# KiCad board pmic_panel.kicad_pcb (continued)
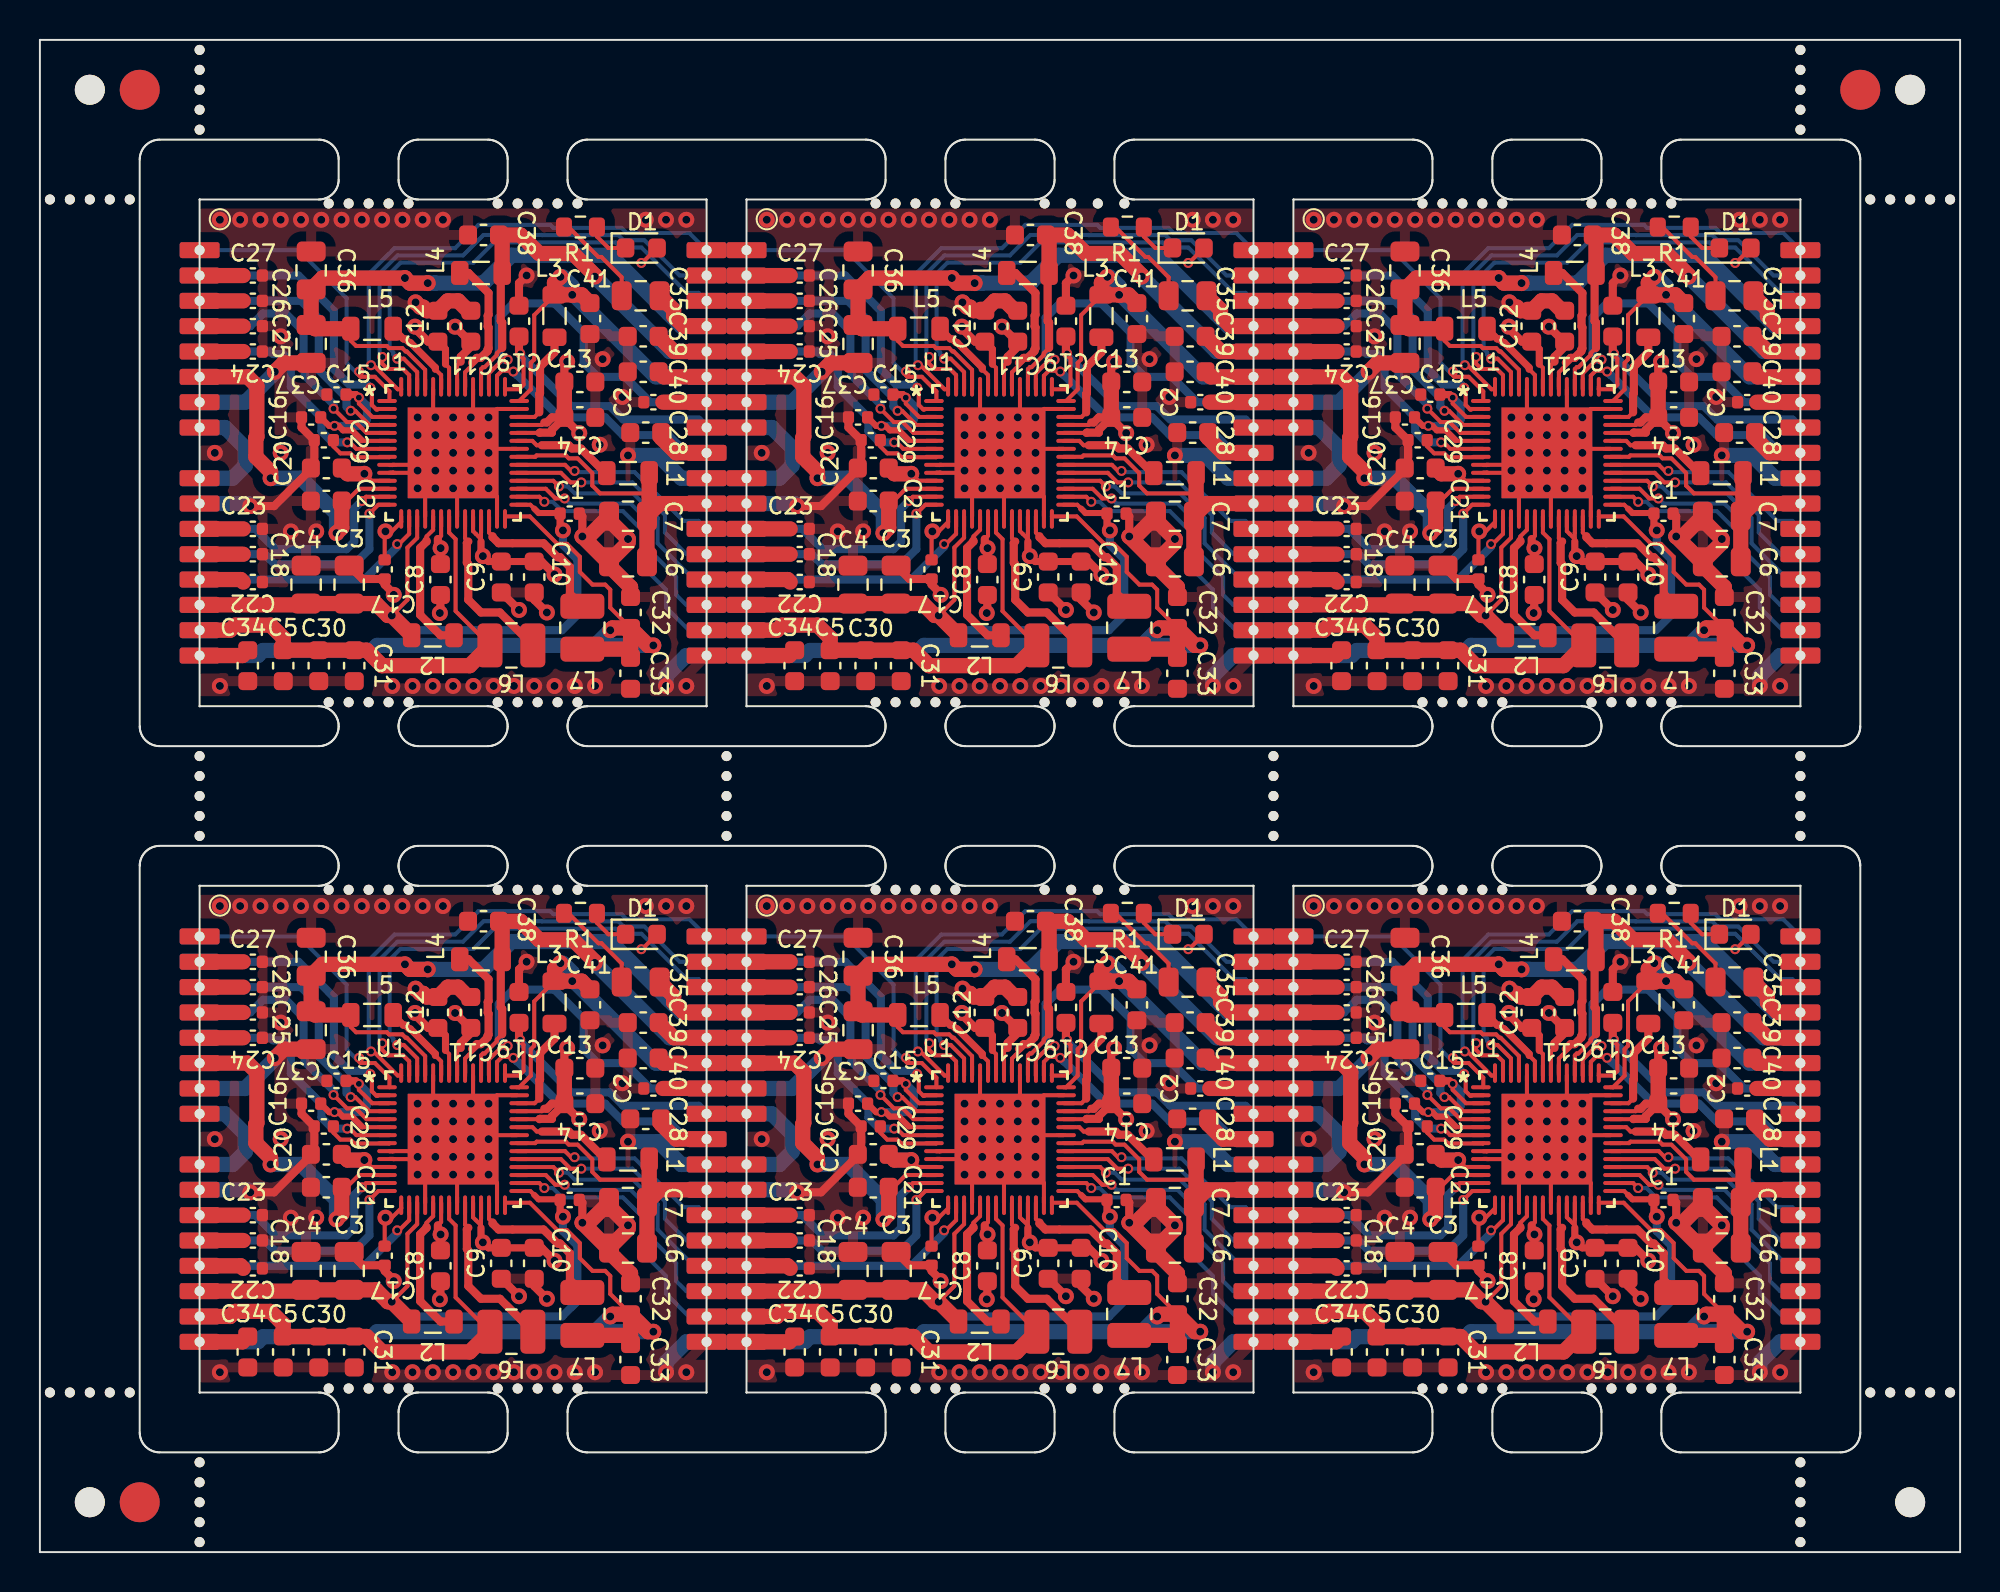
[diagram p0: board, top side]
## Routing (per net, layer and track width the routed paths; a pad name or vN(x,y) marks a point on that pad's centre or on a via; arc(x,y) is an arc through that point) (continued)
Board_2-SCL: length 11.7
  Top w0.203: 78.69,54.1 80.9,54.1 81.38,53.62 v2(81.92,53.62)
  Bottom w0.203: U2#3.21 87.2,50.02 86.11,51.11 86.11,51.98 84.48,53.62 v2(81.92,53.62)
Board_2-SDA: length 10.8
  Top w0.203: 78.69,54.5 81.11,54.5 81.41,54.19 v2(81.59,54.19)
  Bottom w0.203: U2#3.22 87.8,51.69 87.04,51.69 84.59,54.14 81.65,54.14 v2(81.59,54.19)
Board_2-VBUS: length 17.4
  Top w0.203: 72.31,53.3 70.78,53.3 70.17,52.69 69.92,52.69
  Top w0.762: 69.92,52.69 69.92,51.34 v1(69.66,51.08) ; v1(66.36,53.83) 66.36,54.16 65.62,54.9 65.62,55.86 65.67,55.91 65.67,58.45 65.21,58.91 U2#3.6
  Bottom w0.762: v1(66.36,53.83) 67.88,53.83 69.66,52.05 v1(69.66,51.08)
Board_2-VIN: length 57.7
  Top w0.203: 76.9,51.91 76.9,51.1 76.9,51.1 76.9,50.65 76.9,50.78 76.5,51.18 76.5,51.91 ; C17#2.1 72.07,51.12 v1(72.11,51.16) 72.43,51.16 72.9,51.63 72.9,51.91 ; 74.9,51.91 74.9,50.94 74.74,50.78 ; v1(71.06,54.05) 71.4,53.7 72.31,53.7 ; v2(70.78,57.87) 70.78,57.57 71.45,56.9 72.31,56.9 ; 75.3,58.29 75.3,59.36 75.12,59.54 ; 75.88,59.67 75.7,59.49 75.7,58.29 ; 80.07,56.62 79.95,56.5 78.69,56.5 ; 78.69,56.1 79.83,56.1 ; 72.31,55.7 70.96,55.7
  Top w0.305: 70.93,55.73 70.43,56.23 69.98,56.23 69.76,56.45 ; v2(69.56,56.45) 69.76,56.45 69.76,56.45 ; C16#5.1 69.3,56.45 69.76,56.45
  Top w0.356: v2(70.78,57.87) 70.63,58.02 C15#2.1 ; 75.12,59.54 75.12,60.29 C12.1 ; C10#4.1 C9.1 77.26,49.65 v1(76.99,49.92) 76.9,50.02 76.9,50.65
  Top w0.406: v1(75.6,61.42) 76.35,60.67 C11.1 ; C12.1 74.25,60.67 73.59,61.33 v1(73.59,61.43) ; C14.1 80.45,56.88 80.2,56.62 80.07,56.62 ; C14.1 81.07,56.84 v1(81.82,56.09) ; C14.1 80.45,56.26 80.45,56.12 79.85,56.12 79.83,56.1 ; C10#4.1 79.93,49.65 v1(80.58,49) ; v1(81.22,59.67) 81.07,59.53 C13#2.1 ; 76.64,60.67 75.88,59.91 75.88,59.67 ; 74.74,50.78 74.74,50.46 v1(74.88,50.32) 74.86,50.31 C8.1
  Top w0.762: C14.1 C13#2.1 ; v1(71.06,54.05) 70.21,54.05 69.92,54.34
  In1.Cu w0.762: U2#3.9 64.39,53.83 65.08,54.52 65.08,55.02 65.91,55.85 66.11,55.85 ; 66.11,55.85 65.59,56.37 U2#3.8 ; 66.11,55.85 v1(66.86,55.1)
  Bottom w0.406: v2(70.78,57.87) 71.18,57.47 71.18,56.78 70.86,56.45 v2(69.56,56.45)
  Bottom w0.762: U2#3.8 64.07,56.37 65.09,55.35 65.09,54.46 64.45,53.83 U2#3.9
Board_2-VOUT1: length 21.2
  Top w0.203: L3#4.2 79.56,62 79.56,59.78 79.39,59.61 79.39,58.28 U1.42 78.69,57.7
  Top w0.762: U2#3.28 86.05,58.91 C40#4.1 ; C41#6.1 81.94,63.02 L3#4.2 80.58,63.62 v1(80.88,63.92)
  Bottom w0.762: 81.55,63.02 85.66,58.91 U2#3.28 ; v1(80.88,63.92) 81,63.92 81.47,63.45 v1(81.47,63.02)
Board_2-VOUT2: length 42.6
  Top w0.203: 78.1,51.91 79.35,51.91 80.72,50.54 81.2,50.54 81.85,49.89 81.85,49.13 82.48,48.5 83.12,48.5 83.37,48.24 83.37,47.34 C32#6.1
  Top w0.762: v1(85.53,45.45) 85.27,45.45 C32#6.1 ; 84.39,45.32 84.33,45.26 L7#5.1 ; 84.39,45.32 C32#6.1 ; 84.39,45.32 C33.1 ; C32#6.1 83.49,46.32 v1(83.37,46.21) ; U2#3.16 64.95,44.94 C34#2.1
  Bottom w0.762: 82.61,45.45 71.69,45.45 71.44,45.19 65.97,45.19 65.72,44.94 U2#3.16 ; 82.61,45.45 v1(85.53,45.45) ; 82.61,45.45 v1(83.37,46.21)
Board_2-VOUT3: length 23.6
  Top w0.203: 75.3,51.91 75.3,51.1 75.63,50.77 75.63,47.17 L6#3.1
  Top w0.762: U2#3.15 64.32,46.21 64.58,46.46 66.36,46.46 66.99,45.83 C5#3.1 C30.1 C31#6.1 71.17,45.21 71.94,44.43 76.33,44.43 L6#3.1
Board_2-VOUT4: length 52.2
  Top w0.203: D1#4.2 84.97,64.62 v2(84.93,64.62) ; v1(72.43,46.95) 73.21,47.73 73.21,50.35 73.7,50.84 73.7,51.91 ; 79.56,52.31 79.37,52.5 78.69,52.5
  Top w0.305: C1#6.1 80.83,52.08 79.79,52.08 79.56,52.31
  Top w0.356: C1#6.1 80.86,51.35 v1(81,51.21)
  Top w0.762: L2#5.1 v1(72.43,46.95) 72.23,46.95 71.63,47.55 C3.1 C4#3.1 68.07,47.48 U2#3.14
  In1.Cu w0.203: v1(81,51.21) 81.02,51.21 81.93,52.12 83.78,52.12 85.53,53.87 85.53,63.52 84.93,64.12 v2(84.93,64.62)
  Bottom w0.406: v1(81,51.21) 81,50.49 81.72,49.77 81.72,46.97 80.96,46.21 73.17,46.21 v1(72.43,46.95)
Board_2-VOUT5: length 15.6
  Top w0.203: 85.33,52.94 85.2,53.07 82.87,53.07 82.47,53.46 82.47,54.09 81.74,54.82 81.3,54.82 81.15,54.97 79.69,54.97 79.61,54.9 78.69,54.9
  Top w0.762: C7#3.1 85.85,52.56 U2#3.23 ; C7#3.1 85.33,52.04 L1#6.2 ; C7#3.1 C6#5.1
Board_2-VOUT6: length 23.9
  Top w0.203: 77.96,60.36 77.69,60.09 77.69,60.01 77.08,59.4 77,59.4 76.9,59.3 76.9,58.29
  Top w0.406: 77.96,60.36 77.96,61.63 77.89,61.7 77.89,64.05 L4.2
  Top w0.762: U2#3.29 86.56,60.18 C39.1 ; v1(82.6,63.94) 82.6,64.01 81.51,65.1 79.81,65.1 78.88,66.02 C38#6.1 77.96,65.86 L4.2
  Bottom w0.762: v1(82.6,63.94) 86.35,60.18 U2#3.29
Board_2-VOUT7: length 36.8
  Top w0.203: 74.1,58.29 74.1,59.26 73.18,60.18 73.12,60.18 72.96,60.35 72.29,60.35 72.18,60.46 70.64,60.46 70.37,60.72 L5#2.2
  Top w0.762: C35#5.1 86.55,62.27 86.55,61.96 87.06,61.45 U2#3.30 ; v1(74.23,63.61) 73.34,63.61 v1(73.09,63.86) 68.96,63.86 C36#2.1 C37.1 68.58,61.32 L5#2.2
  Bottom w0.762: 74.61,63.61 77.02,63.61 78.42,65.01 83.37,65.01 86.93,61.45 U2#3.30 ; 74.61,63.61 73.34,63.61 v1(73.09,63.86) ; 74.61,63.61 v1(74.23,63.61)
Board_2-VREFDDR: length 20.3
  Top w0.203: 77.29,58.29 77.29,59.08 77.98,59.77 v2(78.23,59.77)
  Top w0.762: U2#3.27 C2#3.1
  Bottom w0.406: U2#3.27 85.38,57.64 84.11,58.91 82.74,58.91 82.04,59.61 82.04,61.13 80.58,62.59 78.5,62.59 77.79,61.87 77.79,60.05 78.07,59.77 v2(78.23,59.77)
Board_2-WAKEUPN: length 13.8
  Top w0.203: 78.69,52.9 79.82,52.9 v2(80.07,52.65)
  Bottom w0.203: v2(80.07,52.65) 80.49,52.65 80.96,52.18 84.01,52.18 85.03,51.16 85.03,49.38 86.17,48.24 86.17,47.35 87.31,46.21 U2#3.18
Board_3-GND: length 63.2
  Top w0.203: R1#4.2 26.48,32.02 27.98,30.52 28.13,30.52 29.15,29.5 C35.2 ; 20.9,17.51 20.9,18.72 v1(20.7,18.92) ; v1(19.81,22.48) 19.7,22.59 19.7,23.89 ; 22.9,17.51 22.9,18.5 v1(22.48,18.92) ; 23.89,20.9 22.68,20.9 v1(22.48,20.7) ; v1(18.92,18.92) 19.3,18.54 19.3,17.51 ; v1(22.48,22.48) 22.9,22.9 23.89,22.9 ; v1(21.59,22.48) 21.7,22.59 21.7,23.89 ; 17.51,19.71 17.69,19.71 17.7,19.7 18.81,19.7 v1(18.92,19.81) 18.63,20.1 17.69,20.1 17.68,20.09 17.51,20.09
  Top w0.406: C9#3.2 23.13,13.7 v1(24,12.83) ; v1(24.38,29.59) 24,29.21 C19#5.2 ; C3#2.2 16.16,14.38 C17#6.2 17.27,14.1 17.73,13.64 v1(17.73,13.58) ; C16#4.2 13.11,21.97 C29.2 13.74,20.11 C20#3.2 13.57,19.87 11.73,18.03 v1(10.54,18.03) ; C1#2.2 27.05,17.65 27.18,17.52 v1(27.18,16.51) ; C10#5.2 24.76,13.33 v1(25.4,12.7) ; 20.06,13.58 20.06,12.7 v1(20.04,12.67)
  Top w0.762: v1(18.82,28.24) 19.06,28.01 19.2,28.01 19.38,27.83 C12#4.2 20.43,28.32 20.95,28.32 21.45,27.83 C11#4.2 ; C6#4.2 29.46,16.19 v1(29.46,16.38) 28.51,17.33 C7#5.2 27.5,16.51 v1(27.18,16.51) 28.45,15.24 C6#4.2 ; C6#4.2 28.51,15.05 29.59,13.97 C32#4.2 ; C37#4.2 12.22,25.21 v1(11.77,24.76)
  Bottom w0.762: U2.10 10.41,18.16 v1(10.54,18.03) ; v1(29.46,20.57) 30.99,20.57 32.13,19.43 U2.24 ; U2.17 32.38,10.54 31.37,9.52 v1(31.37,9.02) ; v1(11.77,24.76) 11.77,24.72 10.29,23.24 U2.7
  vias: v1(8.76,20.7) v1(9.02,32.38) v1(9.02,9.02) v1(10.03,32.38) v1(11.05,32.38) v1(12.06,32.38) v1(12.06,26.54) v1(12.57,16.76) v1(13.08,32.38) v1(13.84,16.76) v1(14.1,32.38) v1(15.11,32.38) v1(16.13,32.38) v1(17.14,32.38) v1(17.65,9.02) v1(18.16,32.38) v1(18.67,9.02) v1(18.92,22.48) v1(18.92,21.59) v1(18.92,20.7) v1(19.18,32.38) v1(19.68,9.02) v1(19.81,21.59) v1(19.81,20.7) v1(19.81,19.81) v1(19.81,18.92) v1(20.19,32.38) v1(20.7,22.48) v1(20.7,21.59) v1(20.7,20.7) v1(20.7,19.81) v1(20.7,9.02) v1(21.59,21.59) v1(21.59,20.7) v1(21.59,19.81) v1(21.59,18.92) v1(21.72,9.02) v1(22.48,21.59) v1(22.48,19.81) v1(22.73,9.02) v1(23.75,9.02) v1(24.76,9.02) v1(25.78,9.02) v1(26.8,9.02) v1(27.81,9.02) v1(28.05,21.11) v1(28.19,25.4) v1(29.18,23.5) v1(30.35,32.38) v1(31.37,32.38) v1(32.38,32.38) v1(32.38,9.02)
Board_3-INTLDO: length 3.3
  Top w0.203: 17.51,20.49 17.5,20.48 15.75,20.48 15.56,20.68 15.05,20.68 14.7,21.03 C29.1
Board_3-INTN: length 12.3
  Top w0.203: v2(26,19.02) 25.72,19.3 23.89,19.3
  Bottom w0.203: U2.20 32.76,14.35 30.95,16.16 30.95,17.43 29.72,18.67 26.8,18.67 26.45,19.02 v2(26,19.02)
Board_3-LDO1OUT: length 14.2
  Top w0.203: 17.51,18.1 16.96,18.1 v2(16.51,17.65)
  Top w0.762: U2.12 10.19,15.62
  Bottom w0.406: v2(16.51,17.65) 16.51,15.87 15.75,15.11 11.77,15.11 11.26,15.62 U2.12
Board_3-LDO2OUT: length 14.6
  Top w0.203: v2(17.9,16.13) 17.99,16.13 18.5,16.64 18.5,17.51
  Top w0.762: 10.19,14.22 10.06,14.35 U2.13
  Bottom w0.406: v2(17.9,16.13) 17.9,16 16.25,14.35 U2.13
Board_3-LDO3IN: length 14.6
  Top w0.203: U1#3.43 23.3,23.89 24,23.89 24.23,24.12 24.23,25.43 24.06,25.59 v2(24.06,25.68)
  Top w0.406: v2(24.06,25.68) 24,25.74 C19#5.1
  Bottom w0.406: U2.26 33,22.37 29.23,22.37 28.55,23.04 26.61,23.04 24.06,25.59 v2(24.06,25.68)
Board_3-LDO3OUT: length 15.8
  Top w0.203: 22.9,23.89 22.9,24.57 23.15,24.82 23.67,24.82 v2(23.72,24.78)
  Top w0.762: U2.25 31.88,20.7 31.13,21.45 C28#5.1
  Bottom w0.406: U2.25 32.38,20.7 31.5,21.59 29.21,21.59 28.32,22.48 26.03,22.48 23.91,24.6 23.89,24.6 v2(23.72,24.78)
Board_3-LDO4OUT: length 14.2
  Top w0.203: 17.51,18.5 16.34,18.5 v2(16.13,18.29)
  Top w0.762: U2.11 10.19,16.89
  Bottom w0.406: U2.11 10.79,16.89 11.81,15.87 15.37,15.87 15.75,16.25 15.75,17.91 v2(16.13,18.29)
Board_3-LDO5OUT: length 14.9
  Top w0.203: v2(15.4,21.23) 15.53,21.23 15.85,20.9 17.51,20.9
  Top w0.762: U2.5 10.19,25.78
  Bottom w0.406: U2.5 11.56,25.78 11.68,25.65 12.19,25.65 12.57,25.27 12.57,24 14.1,22.47 14.1,21.78 14.66,21.23 v2(15.4,21.23)
Board_3-LDO6OUT: length 15.8
  Top w0.203: 17.51,21.7 16.36,21.7 15.82,22.24 15.38,22.24 v2(14.71,22.92)
  Top w0.762: U2.4 10.19,27.05
  Bottom w0.406: U2.4 10.54,27.05 11.17,27.69 12.32,27.69 13.21,26.8 13.21,25.18 13.27,25.13 13.27,24.58 14.71,23.13 v2(14.71,22.92)
Board_3-LDO7OUT: length 16
  Top w0.203: 17.51,22.1 16.5,22.1 15.8,22.81 v2(15.57,22.81)
  Top w0.762: U2.3 10.19,28.32
  Bottom w0.406: U2.3 13.08,28.32 13.97,27.43 13.97,24.85 15.36,23.46 15.36,23.02 v2(15.57,22.81)
Board_3-LDO8OUT: length 16.7
  Top w0.203: 17.51,22.9 16.94,22.9 16.91,22.88 16.86,22.88 16.63,23.1 16.63,23.89 v2(16.55,23.96)
  Top w0.762: U2.2 10.19,29.59
  Bottom w0.406: U2.2 12.95,29.59 14.73,27.81 14.73,24.89 15.5,24.12 16.39,24.12 v2(16.55,23.96)
Board_3-Net-(D1-K): length 2.2
  Top w0.203: R1#4.1 27.91,31.55 28.48,30.97 D1#5.1
Board_3-Net-(U1-VLX1): length 5.3
  Top w0.203: 25.02,22.73 24.79,22.5 23.89,22.5
  Top w0.406: 25.02,22.73 25.02,23.65 25.06,23.69 25.06,25.02 25.78,25.74 L3#5.1
Board_3-Net-(U1-VLX2): length 7.8
  Top w0.203: 22.68,16.52 22.5,16.7 22.5,17.51
  Top w0.406: 22.68,16.52 22.68,16.47 22.98,16.17 25.23,16.17 25.93,15.47 26.06,15.47 26.55,14.98 26.55,13.64 L7#4.2
Board_3-Net-(U1-VLX3): length 8.5
  Top w0.203: 21.46,16.25 21.3,16.42 21.3,17.51
  Top w0.406: 21.46,16.25 21.39,16.18 21.39,15.19 21.46,15.12 21.46,13.33 22.1,12.7 23.04,12.7 L6#6.2
Board_3-Net-(U1-VLX4): length 7.3
  Top w0.203: 19.7,17.51 19.7,16.84 19.37,16.51 19.37,16.31
  Top w0.406: L2#3.2 20.07,11.56 19.05,12.58 19.05,15.93 19.37,16.25 19.37,16.31
Board_3-Net-(U1-VLX5): length 5.2
  Top w0.203: 25.14,21.08 24.89,21.08 24.67,21.3 23.89,21.3
  Top w0.406: L1#2.1 28.33,19.68 27.1,20.92 26.66,20.92 26.5,21.08 25.14,21.08
Board_3-Net-(U1-VLX6): length 7.8
  Top w0.203: 21.3,23.89 21.3,24.48 ; 21.63,25.22 21.63,25.07 21.3,24.74 U1#3.48
  Top w0.406: 21.65,25.22 21.89,25.46 22.09,25.46 22.43,25.8 22.43,25.89 22.48,25.93 22.48,26.99 22.43,27.03 22.43,27.57 22.48,27.62 22.48,28.71 21.47,29.72 L4#4.1
Board_3-Net-(U1-VLX7): length 4.1
  Top w0.203: 20.1,23.89 20.1,24.6 19.81,24.89
  Top w0.356: 19.81,24.89 19.81,24.97 18.56,26.22 18.5,26.22 18.32,26.41 18.21,26.41 L5.1
Board_3-PONKEYN: length 15
  Top w0.203: 17.51,23.3 17.51,23.78 16.78,24.51 16.06,24.51 15.99,24.58 v2(15.99,24.78)
  Bottom w0.203: v2(15.99,24.78) 15.94,24.73 15.85,24.73 15.37,25.21 15.37,28.45 12.95,30.86 U2.1
Board_3-PWRCTRL1: length 25.1
  Top w0.203: 18.1,23.89 17.92,23.89 16.74,25.06 16.62,25.06 v2(16.59,25.09)
  Bottom w0.203: U2.33 32.54,31.72 29.4,31.72 29.14,31.97 25.72,31.97 25.57,32.13 21.97,32.13 20.8,30.96 17.76,30.96 16.48,29.67 16.48,25.13 16.51,25.09 v2(16.59,25.09)
Board_3-PWRCTRL2: length 25.1
  Top w0.203: 18.5,23.89 18.5,24.6 18.2,24.9 17.42,24.9 17.14,25.18 17.14,25.32 17.05,25.42 17.13,25.51 v2(17.15,25.51)
  Bottom w0.203: U2.32 32.05,29.59 30.29,31.36 29.24,31.36 28.99,31.61 25.16,31.61 25.14,31.62 22.22,31.62 21.2,30.6 17.91,30.6 17.02,29.7 17.02,25.52 17.03,25.51 v2(17.15,25.51)
Board_3-PWRCTRL3: length 24.3
  Top w0.203: v2(17.91,25.42) 18.23,25.42 18.9,24.75 18.9,23.89
  Bottom w0.203: v2(17.91,25.42) 17.71,25.62 17.71,25.73 17.52,25.92 17.52,29.69 18.06,30.23 21.72,30.23 22.74,31.25 28.84,31.25 29.09,30.99 30.14,30.99 32.41,28.72 33,28.72 U2.31
Board_3-RSTN: length 13.3
  Top w0.203: 23.89,18.9 25.34,18.9 25.83,18.41 v2(26.29,18.41)
  Bottom w0.203: v2(26.29,18.41) 26.54,18.16 29.59,18.16 30.59,17.16 30.59,15.76 31.88,14.48 31.88,13.59 32.38,13.08 U2.19
Board_3-SCL: length 11.7
  Top w0.203: v2(27.12,19.22) 26.58,19.22 26.1,19.7 23.89,19.7
  Bottom w0.203: v2(27.12,19.22) 29.68,19.22 31.31,17.58 31.31,16.71 32.4,15.62 U2.21
Board_3-SDA: length 10.8
  Top w0.203: v2(26.79,19.79) 26.61,19.79 26.31,20.1 23.89,20.1
  Bottom w0.203: U2.22 33,17.29 32.24,17.29 29.79,19.74 26.85,19.74 v2(26.79,19.79)
Board_3-VBUS: length 17.4
  Top w0.203: C21#2.1 15.37,18.29 15.98,18.9 17.51,18.9
  Top w0.762: v1(14.86,16.68) 15.12,16.94 C21#2.1 ; v1(11.56,19.43) 11.56,19.76 10.82,20.5 10.82,21.46 10.87,21.51 10.87,24.05 10.41,24.51 U2.6
  Bottom w0.762: v1(14.86,16.68) 14.86,17.65 13.08,19.43 v1(11.56,19.43)
Board_3-VIN: length 57.7
  Top w0.203: 23.89,21.7 25.03,21.7 ; C17#6.1 17.27,16.72 v1(17.31,16.76) 17.63,16.76 18.1,17.23 18.1,17.51 ; 25.27,22.22 25.15,22.1 23.89,22.1 ; v2(15.98,23.47) 15.98,23.17 16.65,22.5 17.51,22.5 ; 20.5,23.89 20.5,24.96 20.32,25.14 ; 20.9,23.89 20.9,25.09 21.08,25.27 ; 17.51,21.3 16.16,21.3 ; 22.1,17.51 22.1,16.7 22.1,16.7 22.1,16.25 22.1,16.38 21.7,16.78 21.7,17.51 ; 20.1,17.51 20.1,16.54 19.94,16.38 ; 17.51,19.3 16.6,19.3 v1(16.25,19.65)
  Top w0.305: 14.96,22.05 15.18,21.83 15.63,21.83 16.13,21.33 ; 14.96,22.05 14.5,22.05 C16#4.1 ; 14.96,22.05 14.96,22.05 v2(14.76,22.05)
  Top w0.356: C12#4.1 20.32,25.89 20.32,25.14 ; 22.1,16.25 22.1,15.62 v1(22.19,15.52) 22.46,15.25 C9#3.1 C10#5.1 ; v2(15.98,23.47) 15.83,23.62 C15#6.1
  Top w0.406: 25.27,22.22 25.4,22.22 25.65,22.48 C14#5.1 ; v1(25.78,14.6) 25.13,15.25 C10#5.1 ; 21.08,25.27 21.08,25.51 21.84,26.27 ; C8#4.1 20.06,15.91 v1(20.08,15.92) 19.94,16.06 19.94,16.38 ; C11#4.1 21.55,26.27 v1(20.8,27.02) ; 25.03,21.7 25.05,21.72 25.65,21.72 25.65,21.86 C14#5.1 ; v1(27.02,21.69) 26.27,22.44 C14#5.1 ; v1(18.79,27.03) 18.79,26.93 19.45,26.27 C12#4.1 ; v1(26.41,25.27) 26.27,25.13 C13#5.1
  Top w0.762: C14#5.1 C13#5.1 ; v1(16.25,19.65) 15.41,19.65 C20#3.1
  In1.Cu w0.762: 11.31,21.45 v1(12.06,20.7) ; 11.31,21.45 10.79,21.97 U2.8 ; 11.31,21.45 11.11,21.45 10.28,20.62 10.28,20.12 9.59,19.43 U2.9
  Bottom w0.406: v2(15.98,23.47) 16.38,23.07 16.38,22.38 16.06,22.05 v2(14.76,22.05)
  Bottom w0.762: U2.9 9.65,19.43 10.29,20.06 10.29,20.95 9.27,21.97 U2.8
Board_3-VOUT1: length 21.2
  Top w0.203: 23.89,23.3 U1#3.42 24.59,23.88 24.59,25.21 24.76,25.38 24.76,27.6 L3#5.2
  Top w0.762: C41.1 27.14,28.62 L3#5.2 25.78,29.22 v1(26.08,29.52) ; C40.1 31.25,24.51 U2.28
  Bottom w0.762: v1(26.08,29.52) 26.2,29.52 26.67,29.05 v1(26.67,28.62) ; 26.75,28.62 30.86,24.51 U2.28
Board_3-VOUT2: length 42.6
  Top w0.203: C32#4.1 28.57,12.94 28.57,13.84 28.32,14.1 27.69,14.1 27.05,14.73 27.05,15.49 26.4,16.14 25.92,16.14 24.55,17.51 23.3,17.51
  Top w0.762: C32#4.1 30.47,11.05 v1(30.73,11.05) ; C32#4.1 29.59,10.92 ; C32#4.1 28.69,11.92 v1(28.57,11.81) ; 29.59,10.92 C33#4.1 ; 29.59,10.92 29.53,10.86 L7#4.1 ; U2.16 10.15,10.54 C34#3.1
  Bottom w0.762: 27.81,11.05 16.89,11.05 16.64,10.79 11.17,10.79 10.92,10.54 U2.16 ; 27.81,11.05 v1(30.73,11.05) ; 27.81,11.05 v1(28.57,11.81)
Board_3-VOUT3: length 23.6
  Top w0.203: 20.5,17.51 20.5,16.7 20.83,16.37 20.83,12.77 L6#6.1
  Top w0.762: U2.15 9.52,11.81 9.78,12.06 11.56,12.06 12.19,11.43 C5#5.1 C30#4.1 C31#4.1 16.37,10.81 17.14,10.03 21.53,10.03 L6#6.1
Board_3-VOUT4: length 52.2
  Top w0.203: D1#5.2 30.17,30.22 v2(30.13,30.22) ; v1(17.63,12.55) 18.41,13.33 18.41,15.95 18.9,16.44 18.9,17.51 ; 23.89,18.1 24.57,18.1 24.76,17.91
  Top w0.305: C1#2.1 26.03,17.68 24.99,17.68 24.76,17.91
  Top w0.356: v1(26.2,16.81) 26.06,16.95 C1#2.1
  Top w0.762: L2#3.1 v1(17.63,12.55) 17.43,12.55 16.83,13.15 C3#2.1 C4#6.1 13.27,13.08 U2.14
  In1.Cu w0.203: v2(30.13,30.22) 30.13,29.72 30.73,29.12 30.73,19.47 28.98,17.72 27.13,17.72 26.22,16.81 v1(26.2,16.81)
  Bottom w0.406: v1(17.63,12.55) 18.37,11.81 26.16,11.81 26.92,12.57 26.92,15.37 26.2,16.09 v1(26.2,16.81)
Board_3-VOUT5: length 15.6
  Top w0.203: 30.53,18.54 30.4,18.67 28.07,18.67 27.67,19.06 27.67,19.69 26.94,20.42 26.5,20.42 26.35,20.57 24.89,20.57 24.81,20.5 23.89,20.5
  Top w0.762: C7#5.1 30.53,17.64 L1#2.2 ; C7#5.1 C6#4.1 ; C7#5.1 31.05,18.16 U2.23
Board_3-VOUT6: length 23.9
  Top w0.203: 22.1,23.89 22.1,24.9 22.2,25 22.28,25 22.89,25.61 22.89,25.69 23.16,25.96
  Top w0.406: L4#4.2 23.09,29.65 23.09,27.3 23.16,27.23 23.16,25.96
  Top w0.762: C39#5.1 31.76,25.78 U2.29 ; v1(27.8,29.54) 27.8,29.61 26.71,30.7 25.01,30.7 24.08,31.62 C38#5.1 23.16,31.46 L4#4.2
  Bottom w0.762: v1(27.8,29.54) 31.55,25.78 U2.29
Board_3-VOUT7: length 36.8
  Top w0.203: 19.3,23.89 19.3,24.86 18.38,25.78 18.32,25.78 18.16,25.95 17.49,25.95 17.38,26.06 15.84,26.06 15.57,26.32 L5.2
  Top w0.762: C35.1 31.75,27.87 31.75,27.56 32.26,27.05 U2.30 ; L5.2 13.78,26.92 C37#4.1 C36#4.1 14.16,29.46 v1(18.29,29.46) 18.54,29.21 v1(19.43,29.21)
  Bottom w0.762: U2.30 32.13,27.05 28.57,30.61 23.62,30.61 22.22,29.21 19.81,29.21 ; 19.81,29.21 18.54,29.21 v1(18.29,29.46) ; 19.81,29.21 v1(19.43,29.21)
Board_3-VREFDDR: length 20.3
  Top w0.203: v2(23.43,25.37) 23.18,25.37 22.49,24.68 22.49,23.89
  Top w0.762: U2.27 C2#2.1
  Bottom w0.406: U2.27 30.58,23.24 29.31,24.51 27.94,24.51 27.24,25.21 27.24,26.73 25.78,28.19 23.7,28.19 22.99,27.47 22.99,25.65 23.27,25.37 v2(23.43,25.37)
Board_3-WAKEUPN: length 13.8
  Top w0.203: 23.89,18.5 25.02,18.5 v2(25.27,18.25)
  Bottom w0.203: U2.18 32.51,11.81 31.37,12.95 31.37,13.84 30.22,14.98 30.22,16.76 29.21,17.78 26.16,17.78 25.69,18.25 v2(25.27,18.25)
Board_4-GND: length 63.2
  Top w0.203: 44.91,20.09 45.08,20.09 45.09,20.1 46.03,20.1 v1(46.32,19.81) 46.21,19.7 45.1,19.7 45.09,19.71 44.91,19.71 ; v1(48.1,18.92) 48.3,18.72 48.3,17.51 ; v1(46.32,18.92) 46.7,18.54 46.7,17.51 ; R1#6.2 53.88,32.02 55.38,30.52 55.53,30.52 56.55,29.5 C35#3.2 ; v1(49.88,20.7) 50.08,20.9 51.29,20.9 ; v1(49.88,18.92) 50.3,18.5 50.3,17.51 ; 47.1,23.89 47.1,22.59 v1(47.21,22.48) ; v1(49.88,22.48) 50.3,22.9 51.29,22.9 ; v1(48.99,22.48) 49.1,22.59 49.1,23.89
  Top w0.406: C3#6.2 43.56,14.38 C17#4.2 44.67,14.1 45.13,13.64 v1(45.13,13.58) ; v1(47.44,12.67) 47.47,12.7 47.47,13.58 ; v1(54.58,16.51) 54.58,17.52 54.45,17.65 C1#4.2 ; v1(51.4,12.83) 50.53,13.7 C9#4.2 ; C16.2 40.51,21.97 C29#6.2 41.14,20.11 C20#2.2 40.97,19.87 39.13,18.03 v1(37.94,18.03) ; C10.2 52.16,13.33 v1(52.8,12.7) ; C19#6.2 51.4,29.21 v1(51.78,29.59)
  Top w0.762: v1(39.17,24.76) 39.62,25.21 C37#6.2 ; C32#2.2 56.99,13.97 55.91,15.05 55.91,15.24 ; 55.91,15.24 55.85,15.24 v1(54.58,16.51) 54.9,16.51 55.91,17.52 55.91,17.33 v1(56.86,16.38) 56.86,16.19 55.91,15.24 ; v1(46.22,28.24) 46.46,28.01 46.6,28.01 46.78,27.83 C12#3.2 47.83,28.32 48.35,28.32 48.85,27.83 C11#6.2
  Bottom w0.762: U2#6.24 59.53,19.43 58.39,20.57 v1(56.86,20.57) ; U2#6.10 37.81,18.16 v1(37.94,18.03) ; U2#6.17 59.78,10.54 58.77,9.52 v1(58.77,9.02) ; v1(39.17,24.76) 39.17,24.72 37.69,23.24 U2#6.7
  vias: v1(36.16,20.7) v1(36.42,32.38) v1(36.42,9.02) v1(37.43,32.38) v1(38.45,32.38) v1(39.46,32.38) v1(39.46,26.54) v1(39.97,16.76) v1(40.48,32.38) v1(41.24,16.76) v1(41.5,32.38) v1(42.51,32.38) v1(43.53,32.38) v1(44.54,32.38) v1(45.05,9.02) v1(45.56,32.38) v1(46.07,9.02) v1(46.32,22.48) v1(46.32,21.59) v1(46.32,20.7) v1(46.58,32.38) v1(47.08,9.02) v1(47.21,21.59) v1(47.21,20.7) v1(47.21,19.81) v1(47.21,18.92) v1(47.59,32.38) v1(48.1,22.48) v1(48.1,21.59) v1(48.1,20.7) v1(48.1,19.81) v1(48.1,9.02) v1(48.99,21.59) v1(48.99,20.7) v1(48.99,19.81) v1(48.99,18.92) v1(49.12,9.02) v1(49.88,21.59) v1(49.88,19.81) v1(50.13,9.02) v1(51.15,9.02) v1(52.16,9.02) v1(53.18,9.02) v1(54.2,9.02) v1(55.21,9.02) v1(55.45,21.11) v1(55.59,25.4) v1(56.58,23.5) v1(57.75,32.38) v1(58.77,32.38) v1(59.78,32.38) v1(59.78,9.02)
Board_4-INTLDO: length 3.3
  Top w0.203: C29#6.1 42.1,21.03 42.45,20.68 42.96,20.68 43.15,20.48 44.9,20.48 44.91,20.49
Board_4-INTN: length 12.3
  Top w0.203: v2(53.4,19.02) 53.12,19.3 51.29,19.3
  Bottom w0.203: U2#6.20 60.16,14.35 58.35,16.16 58.35,17.43 57.12,18.67 54.2,18.67 53.85,19.02 v2(53.4,19.02)
Board_4-LDO1OUT: length 14.2
  Top w0.203: v2(43.91,17.65) 44.36,18.1 44.91,18.1
  Top w0.762: U2#6.12 C18#2.1
  Bottom w0.406: v2(43.91,17.65) 43.91,15.87 43.15,15.11 39.17,15.11 38.66,15.62 U2#6.12
Board_4-LDO2OUT: length 14.6
  Top w0.203: v2(45.3,16.13) 45.39,16.13 45.9,16.64 45.9,17.51
  Top w0.762: U2#6.13 37.46,14.35 C22#4.1
  Bottom w0.406: v2(45.3,16.13) 45.3,16 43.66,14.35 U2#6.13
Board_4-LDO3IN: length 14.6
  Top w0.203: U1#5.43 50.7,23.89 51.4,23.89 51.63,24.12 51.63,25.43 51.46,25.59 v2(51.46,25.68)
  Top w0.406: v2(51.46,25.68) 51.4,25.74 C19#6.1
  Bottom w0.406: U2#6.26 60.4,22.37 56.63,22.37 55.95,23.04 54.01,23.04 51.46,25.59 v2(51.46,25.68)
Board_4-LDO3OUT: length 15.8
  Top w0.203: 50.3,23.89 50.3,24.57 50.55,24.82 51.07,24.82 v2(51.12,24.78)
  Top w0.762: U2#6.25 59.28,20.7 58.53,21.45 C28#3.1
  Bottom w0.406: U2#6.25 59.78,20.7 58.89,21.59 56.61,21.59 55.72,22.48 53.43,22.48 51.31,24.6 51.29,24.6 v2(51.12,24.78)
Board_4-LDO4OUT: length 14.2
  Top w0.203: 44.91,18.5 43.74,18.5 v2(43.53,18.29)
  Top w0.762: U2#6.11 C23#6.1
  Bottom w0.406: v2(43.53,18.29) 43.15,17.91 43.15,16.25 42.77,15.87 39.21,15.87 38.19,16.89 U2#6.11
Board_4-LDO5OUT: length 14.9
  Top w0.203: 44.91,20.9 43.25,20.9 42.93,21.23 v2(42.8,21.23)
  Top w0.762: U2#6.5 C24#6.1
  Bottom w0.406: U2#6.5 38.96,25.78 39.08,25.65 39.59,25.65 39.97,25.27 39.97,24 41.5,22.47 41.5,21.78 42.06,21.23 v2(42.8,21.23)
Board_4-LDO6OUT: length 15.8
  Top w0.203: 44.91,21.7 43.76,21.7 43.22,22.24 42.78,22.24 v2(42.11,22.92)
  Top w0.762: U2#6.4 C25#5.1
  Bottom w0.406: U2#6.4 37.94,27.05 38.57,27.69 39.72,27.69 40.61,26.8 40.61,25.18 40.67,25.13 40.67,24.58 42.11,23.13 v2(42.11,22.92)
Board_4-LDO7OUT: length 16
  Top w0.203: v2(42.97,22.81) 43.2,22.81 43.9,22.1 44.91,22.1
  Top w0.762: U2#6.3 C26#2.1
  Bottom w0.406: U2#6.3 40.48,28.32 41.37,27.43 41.37,24.85 42.76,23.46 42.76,23.02 v2(42.97,22.81)
Board_4-LDO8OUT: length 16.7
  Top w0.203: v2(43.95,23.96) 44.03,23.89 44.03,23.1 44.26,22.88 44.31,22.88 44.34,22.9 44.91,22.9
  Top w0.762: U2#6.2 C27#3.1
  Bottom w0.406: v2(43.95,23.96) 43.79,24.12 42.9,24.12 42.13,24.89 42.13,27.81 40.35,29.59 U2#6.2
Board_4-Net-(D1-K): length 2.2
  Top w0.203: R1#6.1 55.31,31.55 55.88,30.97 D1#3.1
Board_4-Net-(U1-VLX1): length 5.3
  Top w0.203: 51.29,22.5 52.19,22.5 52.42,22.73
  Top w0.406: L3#6.1 53.18,25.74 52.46,25.02 52.46,23.69 52.42,23.65 52.42,22.73
Board_4-Net-(U1-VLX2): length 7.8
  Top w0.203: 50.08,16.52 49.9,16.7 49.9,17.51
  Top w0.406: 50.08,16.52 50.08,16.47 50.38,16.17 52.63,16.17 53.33,15.47 53.46,15.47 53.95,14.98 53.95,13.64 L7#2.2
Board_4-Net-(U1-VLX3): length 8.5
  Top w0.203: 48.86,16.25 48.7,16.42 48.7,17.51
  Top w0.406: 48.86,16.25 48.79,16.18 48.79,15.19 48.86,15.12 48.86,13.33 49.5,12.7 50.44,12.7 L6#4.2
Board_4-Net-(U1-VLX4): length 7.3
  Top w0.203: 47.1,17.51 47.1,16.84 46.77,16.51 46.77,16.31
  Top w0.406: L2#2.2 47.47,11.56 46.45,12.58 46.45,15.93 46.77,16.25 46.77,16.31
Board_4-Net-(U1-VLX5): length 5.2
  Top w0.203: 52.54,21.08 52.29,21.08 52.07,21.3 51.29,21.3
  Top w0.406: 52.54,21.08 53.9,21.08 54.06,20.92 54.5,20.92 55.73,19.68 L1#3.1
Board_4-Net-(U1-VLX6): length 7.8
  Top w0.203: U1#5.48 48.7,24.74 49.03,25.07 49.03,25.22 ; 48.7,23.89 48.7,24.48
  Top w0.406: L4#3.1 48.87,29.72 49.88,28.71 49.88,27.62 49.83,27.57 49.83,27.03 49.88,26.99 49.88,25.93 49.83,25.89 49.83,25.8 49.49,25.46 49.29,25.46 49.05,25.22
Board_4-Net-(U1-VLX7): length 4.1
  Top w0.203: 47.5,23.89 47.5,24.6 47.21,24.89
  Top w0.356: L5#6.1 45.61,26.41 45.72,26.41 45.9,26.22 45.96,26.22 47.21,24.97 47.21,24.89
Board_4-PONKEYN: length 15
  Top w0.203: v2(43.39,24.78) 43.39,24.58 43.46,24.51 44.18,24.51 44.91,23.78 44.91,23.3
  Bottom w0.203: U2#6.1 40.35,30.86 42.77,28.45 42.77,25.21 43.25,24.73 43.34,24.73 v2(43.39,24.78)
Board_4-PWRCTRL1: length 25.1
  Top w0.203: v2(43.99,25.09) 44.02,25.06 44.14,25.06 45.32,23.89 45.5,23.89
  Bottom w0.203: v2(43.99,25.09) 43.91,25.09 43.88,25.13 43.88,29.67 45.16,30.96 48.2,30.96 49.37,32.13 52.97,32.13 53.12,31.97 56.54,31.97 56.8,31.72 59.94,31.72 U2#6.33
Board_4-PWRCTRL2: length 25.1
  Top w0.203: v2(44.55,25.51) 44.53,25.51 44.45,25.42 44.54,25.32 44.54,25.18 44.82,24.9 45.6,24.9 45.9,24.6 45.9,23.89
  Bottom w0.203: v2(44.55,25.51) 44.43,25.51 44.42,25.52 44.42,29.7 45.31,30.6 48.6,30.6 49.62,31.62 52.54,31.62 52.56,31.61 56.39,31.61 56.64,31.36 57.69,31.36 59.45,29.59 U2#6.32
